# Altium PCB Mag256_9mm.PcbDoc (part 1 of 6) (continued)
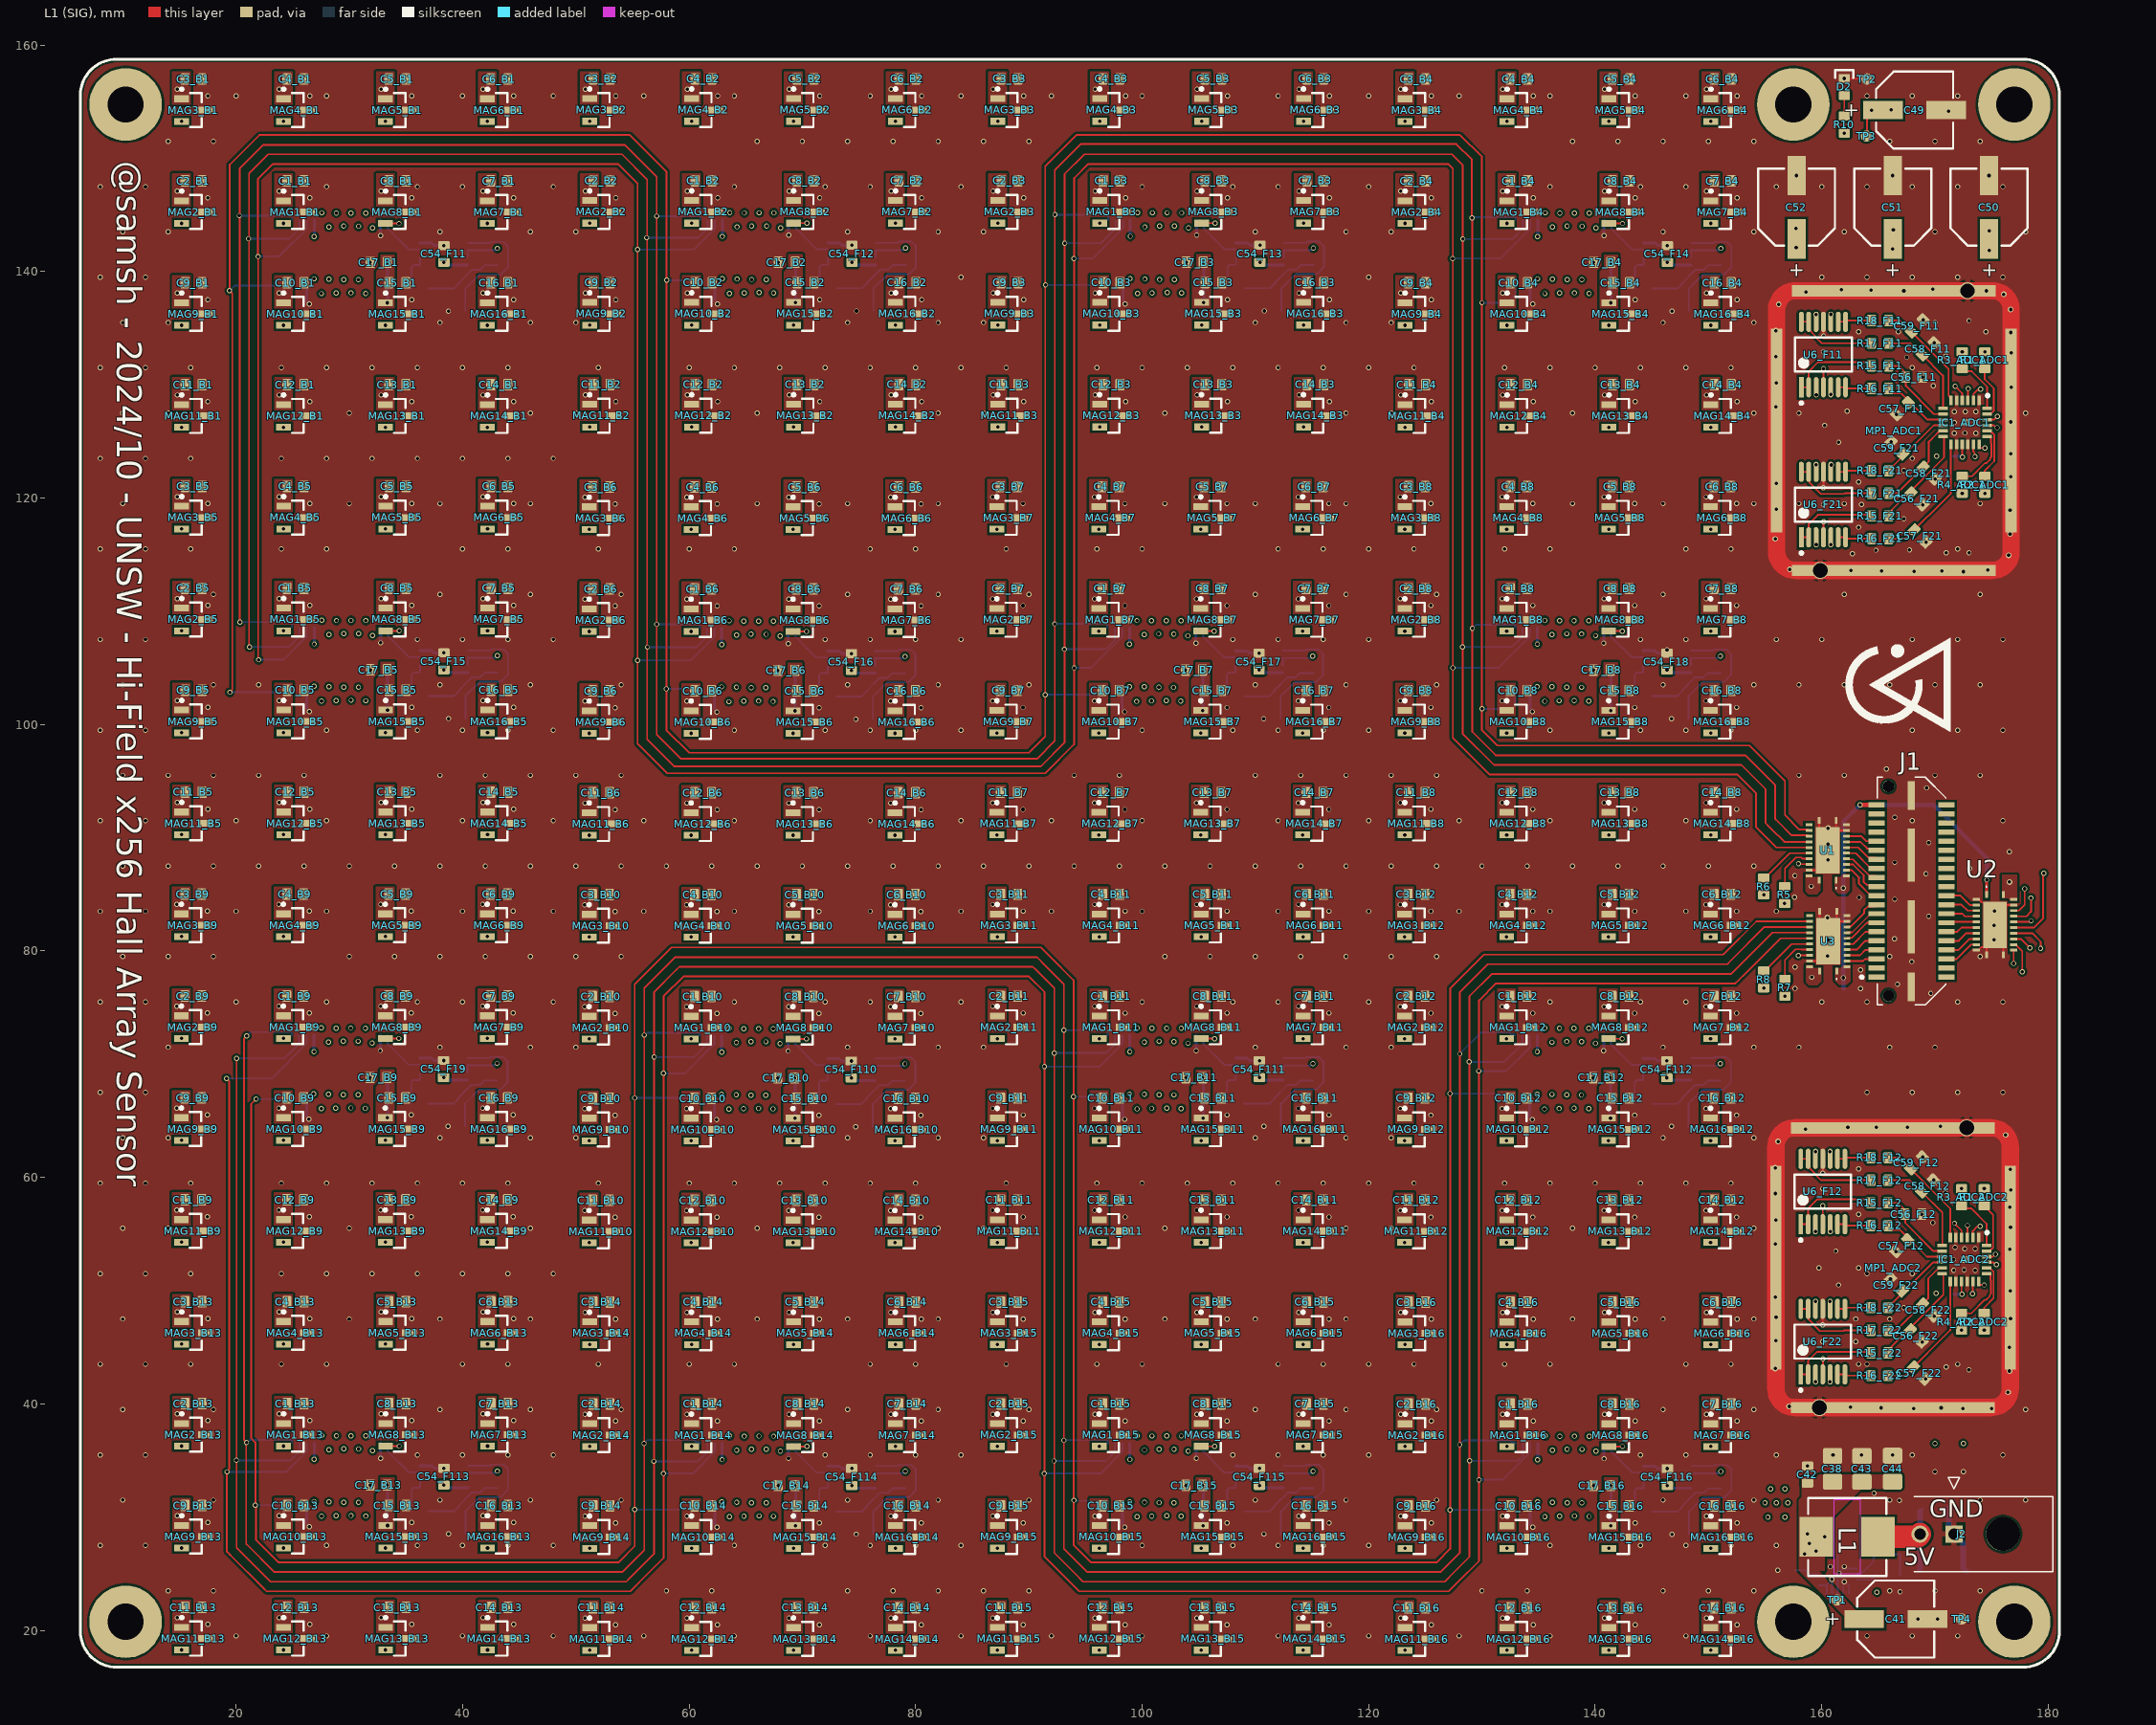
[diagram p0: L1 (SIG) view]
## Components (designator, comment, footprint, x,y, rotation, side; value= is the part's Value field where it differs from the comment)
C1_B1 "100n" CAP_0603 25.25,148 r0 top (schematic designator C1)
C1_B2 "100n" CAP_0603 61.279,148.018 r0 top (schematic designator C1)
C1_B3 "100n" CAP_0603 97.298,148.02 r0 top (schematic designator C1)
C1_B4 "100n" CAP_0603 133.273,148 r0 top (schematic designator C1)
C1_B5 "100n" CAP_0603 25.256,112.02 r0 top (schematic designator C1)
C1_B6 "100n" CAP_0603 61.233,111.965 r0 top (schematic designator C1)
C1_B7 "100n" CAP_0603 97.229,111.996 r0 top (schematic designator C1)
C1_B8 "100n" CAP_0603 133.242,112.001 r0 top (schematic designator C1)
C1_B9 "100n" CAP_0603 25.223,76.02 r0 top (schematic designator C1)
C1_B10 "100n" CAP_0603 61.224,75.977 r0 top (schematic designator C1)
C1_B11 "100n" CAP_0603 97.255,76.007 r0 top (schematic designator C1)
C1_B12 "100n" CAP_0603 133.236,76.001 r0 top (schematic designator C1)
C1_B13 "100n" CAP_0603 25.255,40.021 r0 top (schematic designator C1)
C1_B14 "100n" CAP_0603 61.262,39.991 r0 top (schematic designator C1)
C1_B15 "100n" CAP_0603 97.261,39.999 r0 top (schematic designator C1)
C1_B16 "100n" CAP_0603 133.274,39.984 r0 top (schematic designator C1)
C2_B1 "100n" CAP_0603 16.25,148 r0 top (schematic designator C2)
C2_B2 "100n" CAP_0603 52.279,148.018 r0 top (schematic designator C2)
C2_B3 "100n" CAP_0603 88.298,148.02 r0 top (schematic designator C2)
C2_B4 "100n" CAP_0603 124.273,148 r0 top (schematic designator C2)
C2_B5 "100n" CAP_0603 16.256,112.02 r0 top (schematic designator C2)
C2_B6 "100n" CAP_0603 52.233,111.965 r0 top (schematic designator C2)
C2_B7 "100n" CAP_0603 88.229,111.996 r0 top (schematic designator C2)
C2_B8 "100n" CAP_0603 124.242,112.001 r0 top (schematic designator C2)
C2_B9 "100n" CAP_0603 16.223,76.02 r0 top (schematic designator C2)
C2_B10 "100n" CAP_0603 52.224,75.977 r0 top (schematic designator C2)
C2_B11 "100n" CAP_0603 88.255,76.007 r0 top (schematic designator C2)
C2_B12 "100n" CAP_0603 124.236,76.001 r0 top (schematic designator C2)
C2_B13 "100n" CAP_0603 16.255,40.021 r0 top (schematic designator C2)
C2_B14 "100n" CAP_0603 52.262,39.991 r0 top (schematic designator C2)
C2_B15 "100n" CAP_0603 88.261,39.999 r0 top (schematic designator C2)
C2_B16 "100n" CAP_0603 124.274,39.984 r0 top (schematic designator C2)
C3_B1 "100n" CAP_0603 16.25,157 r0 top (schematic designator C3)
C3_B2 "100n" CAP_0603 52.279,157.018 r0 top (schematic designator C3)
C3_B3 "100n" CAP_0603 88.298,157.02 r0 top (schematic designator C3)
C3_B4 "100n" CAP_0603 124.273,157 r0 top (schematic designator C3)
C3_B5 "100n" CAP_0603 16.256,121.02 r0 top (schematic designator C3)
C3_B6 "100n" CAP_0603 52.233,120.965 r0 top (schematic designator C3)
C3_B7 "100n" CAP_0603 88.229,120.996 r0 top (schematic designator C3)
C3_B8 "100n" CAP_0603 124.242,121.001 r0 top (schematic designator C3)
C3_B9 "100n" CAP_0603 16.223,85.02 r0 top (schematic designator C3)
C3_B10 "100n" CAP_0603 52.224,84.977 r0 top (schematic designator C3)
C3_B11 "100n" CAP_0603 88.255,85.007 r0 top (schematic designator C3)
C3_B12 "100n" CAP_0603 124.236,85.001 r0 top (schematic designator C3)
C3_B13 "100n" CAP_0603 16.255,49.021 r0 top (schematic designator C3)
C3_B14 "100n" CAP_0603 52.262,48.991 r0 top (schematic designator C3)
C3_B15 "100n" CAP_0603 88.261,48.999 r0 top (schematic designator C3)
C3_B16 "100n" CAP_0603 124.274,48.984 r0 top (schematic designator C3)
C4_B1 "100n" CAP_0603 25.25,157 r0 top (schematic designator C4)
C4_B2 "100n" CAP_0603 61.279,157.018 r0 top (schematic designator C4)
C4_B3 "100n" CAP_0603 97.298,157.02 r0 top (schematic designator C4)
C4_B4 "100n" CAP_0603 133.273,157 r0 top (schematic designator C4)
C4_B5 "100n" CAP_0603 25.256,121.02 r0 top (schematic designator C4)
C4_B6 "100n" CAP_0603 61.233,120.965 r0 top (schematic designator C4)
C4_B7 "100n" CAP_0603 97.229,120.996 r0 top (schematic designator C4)
C4_B8 "100n" CAP_0603 133.242,121.001 r0 top (schematic designator C4)
C4_B9 "100n" CAP_0603 25.223,85.02 r0 top (schematic designator C4)
C4_B10 "100n" CAP_0603 61.224,84.977 r0 top (schematic designator C4)
C4_B11 "100n" CAP_0603 97.255,85.007 r0 top (schematic designator C4)
C4_B12 "100n" CAP_0603 133.236,85.001 r0 top (schematic designator C4)
C4_B13 "100n" CAP_0603 25.255,49.021 r0 top (schematic designator C4)
C4_B14 "100n" CAP_0603 61.262,48.991 r0 top (schematic designator C4)
C4_B15 "100n" CAP_0603 97.261,48.999 r0 top (schematic designator C4)
C4_B16 "100n" CAP_0603 133.274,48.984 r0 top (schematic designator C4)
C5_B1 "100n" CAP_0603 34.25,157 r0 top (schematic designator C5)
C5_B2 "100n" CAP_0603 70.279,157.018 r0 top (schematic designator C5)
C5_B3 "100n" CAP_0603 106.298,157.02 r0 top (schematic designator C5)
C5_B4 "100n" CAP_0603 142.273,157 r0 top (schematic designator C5)
C5_B5 "100n" CAP_0603 34.256,121.02 r0 top (schematic designator C5)
C5_B6 "100n" CAP_0603 70.233,120.965 r0 top (schematic designator C5)
C5_B7 "100n" CAP_0603 106.229,120.996 r0 top (schematic designator C5)
C5_B8 "100n" CAP_0603 142.242,121.001 r0 top (schematic designator C5)
C5_B9 "100n" CAP_0603 34.223,85.02 r0 top (schematic designator C5)
C5_B10 "100n" CAP_0603 70.224,84.977 r0 top (schematic designator C5)
C5_B11 "100n" CAP_0603 106.255,85.007 r0 top (schematic designator C5)
C5_B12 "100n" CAP_0603 142.236,85.001 r0 top (schematic designator C5)
C5_B13 "100n" CAP_0603 34.255,49.021 r0 top (schematic designator C5)
C5_B14 "100n" CAP_0603 70.262,48.991 r0 top (schematic designator C5)
C5_B15 "100n" CAP_0603 106.261,48.999 r0 top (schematic designator C5)
C5_B16 "100n" CAP_0603 142.274,48.984 r0 top (schematic designator C5)
C6_B1 "100n" CAP_0603 43.25,157 r0 top (schematic designator C6)
C6_B2 "100n" CAP_0603 79.279,157.018 r0 top (schematic designator C6)
C6_B3 "100n" CAP_0603 115.298,157.02 r0 top (schematic designator C6)
C6_B4 "100n" CAP_0603 151.273,157 r0 top (schematic designator C6)
C6_B5 "100n" CAP_0603 43.256,121.02 r0 top (schematic designator C6)
C6_B6 "100n" CAP_0603 79.233,120.965 r0 top (schematic designator C6)
C6_B7 "100n" CAP_0603 115.229,120.996 r0 top (schematic designator C6)
C6_B8 "100n" CAP_0603 151.242,121.001 r0 top (schematic designator C6)
C6_B9 "100n" CAP_0603 43.223,85.02 r0 top (schematic designator C6)
C6_B10 "100n" CAP_0603 79.224,84.977 r0 top (schematic designator C6)
C6_B11 "100n" CAP_0603 115.255,85.007 r0 top (schematic designator C6)
C6_B12 "100n" CAP_0603 151.236,85.001 r0 top (schematic designator C6)
C6_B13 "100n" CAP_0603 43.255,49.021 r0 top (schematic designator C6)
C6_B14 "100n" CAP_0603 79.262,48.991 r0 top (schematic designator C6)
C6_B15 "100n" CAP_0603 115.261,48.999 r0 top (schematic designator C6)
C6_B16 "100n" CAP_0603 151.274,48.984 r0 top (schematic designator C6)
C7_B1 "100n" CAP_0603 43.25,148 r0 top (schematic designator C7)
C7_B2 "100n" CAP_0603 79.279,148.018 r0 top (schematic designator C7)
C7_B3 "100n" CAP_0603 115.298,148.02 r0 top (schematic designator C7)
C7_B4 "100n" CAP_0603 151.273,148 r0 top (schematic designator C7)
C7_B5 "100n" CAP_0603 43.256,112.02 r0 top (schematic designator C7)
C7_B6 "100n" CAP_0603 79.233,111.965 r0 top (schematic designator C7)
C7_B7 "100n" CAP_0603 115.229,111.996 r0 top (schematic designator C7)
C7_B8 "100n" CAP_0603 151.242,112.001 r0 top (schematic designator C7)
C7_B9 "100n" CAP_0603 43.223,76.02 r0 top (schematic designator C7)
C7_B10 "100n" CAP_0603 79.224,75.977 r0 top (schematic designator C7)
C7_B11 "100n" CAP_0603 115.255,76.007 r0 top (schematic designator C7)
C7_B12 "100n" CAP_0603 151.236,76.001 r0 top (schematic designator C7)
C7_B13 "100n" CAP_0603 43.255,40.021 r0 top (schematic designator C7)
C7_B14 "100n" CAP_0603 79.262,39.991 r0 top (schematic designator C7)
C7_B15 "100n" CAP_0603 115.261,39.999 r0 top (schematic designator C7)
C7_B16 "100n" CAP_0603 151.274,39.984 r0 top (schematic designator C7)
C8_B1 "100n" CAP_0603 34.25,148 r0 top (schematic designator C8)
C8_B2 "100n" CAP_0603 70.279,148.018 r0 top (schematic designator C8)
C8_B3 "100n" CAP_0603 106.298,148.02 r0 top (schematic designator C8)
C8_B4 "100n" CAP_0603 142.273,148 r0 top (schematic designator C8)
C8_B5 "100n" CAP_0603 34.256,112.02 r0 top (schematic designator C8)
C8_B6 "100n" CAP_0603 70.233,111.965 r0 top (schematic designator C8)
C8_B7 "100n" CAP_0603 106.229,111.996 r0 top (schematic designator C8)
C8_B8 "100n" CAP_0603 142.242,112.001 r0 top (schematic designator C8)
C8_B9 "100n" CAP_0603 34.223,76.02 r0 top (schematic designator C8)
C8_B10 "100n" CAP_0603 70.224,75.977 r0 top (schematic designator C8)
C8_B11 "100n" CAP_0603 106.255,76.007 r0 top (schematic designator C8)
C8_B12 "100n" CAP_0603 142.236,76.001 r0 top (schematic designator C8)
C8_B13 "100n" CAP_0603 34.255,40.021 r0 top (schematic designator C8)
C8_B14 "100n" CAP_0603 70.262,39.991 r0 top (schematic designator C8)
C8_B15 "100n" CAP_0603 106.261,39.999 r0 top (schematic designator C8)
C8_B16 "100n" CAP_0603 142.274,39.984 r0 top (schematic designator C8)
C9_B1 "100n" CAP_0603 16.25,139 r0 top (schematic designator C9)
C9_B2 "100n" CAP_0603 52.279,139.018 r0 top (schematic designator C9)
C9_B3 "100n" CAP_0603 88.298,139.02 r0 top (schematic designator C9)
C9_B4 "100n" CAP_0603 124.273,139 r0 top (schematic designator C9)
C9_B5 "100n" CAP_0603 16.256,103.02 r0 top (schematic designator C9)
C9_B6 "100n" CAP_0603 52.233,102.965 r0 top (schematic designator C9)
C9_B7 "100n" CAP_0603 88.229,102.996 r0 top (schematic designator C9)
C9_B8 "100n" CAP_0603 124.242,103.001 r0 top (schematic designator C9)
C9_B9 "100n" CAP_0603 16.223,67.02 r0 top (schematic designator C9)
C9_B10 "100n" CAP_0603 52.224,66.977 r0 top (schematic designator C9)
C9_B11 "100n" CAP_0603 88.255,67.007 r0 top (schematic designator C9)
C9_B12 "100n" CAP_0603 124.236,67.001 r0 top (schematic designator C9)
C9_B13 "100n" CAP_0603 16.255,31.021 r0 top (schematic designator C9)
C9_B14 "100n" CAP_0603 52.262,30.991 r0 top (schematic designator C9)
C9_B15 "100n" CAP_0603 88.261,30.999 r0 top (schematic designator C9)
C9_B16 "100n" CAP_0603 124.274,30.984 r0 top (schematic designator C9)
C10_B1 "100n" CAP_0603 25.25,139 r0 top (schematic designator C10)
C10_B2 "100n" CAP_0603 61.279,139.018 r0 top (schematic designator C10)
C10_B3 "100n" CAP_0603 97.298,139.02 r0 top (schematic designator C10)
C10_B4 "100n" CAP_0603 133.273,139 r0 top (schematic designator C10)
C10_B5 "100n" CAP_0603 25.256,103.02 r0 top (schematic designator C10)
C10_B6 "100n" CAP_0603 61.233,102.965 r0 top (schematic designator C10)
C10_B7 "100n" CAP_0603 97.229,102.996 r0 top (schematic designator C10)
C10_B8 "100n" CAP_0603 133.242,103.001 r0 top (schematic designator C10)
C10_B9 "100n" CAP_0603 25.223,67.02 r0 top (schematic designator C10)
C10_B10 "100n" CAP_0603 61.224,66.977 r0 top (schematic designator C10)
C10_B11 "100n" CAP_0603 97.255,67.007 r0 top (schematic designator C10)
C10_B12 "100n" CAP_0603 133.236,67.001 r0 top (schematic designator C10)
C10_B13 "100n" CAP_0603 25.255,31.021 r0 top (schematic designator C10)
C10_B14 "100n" CAP_0603 61.262,30.991 r0 top (schematic designator C10)
C10_B15 "100n" CAP_0603 97.261,30.999 r0 top (schematic designator C10)
C10_B16 "100n" CAP_0603 133.274,30.984 r0 top (schematic designator C10)
C11_B1 "100n" CAP_0603 16.25,130 r0 top (schematic designator C11)
C11_B2 "100n" CAP_0603 52.279,130.018 r0 top (schematic designator C11)
C11_B3 "100n" CAP_0603 88.298,130.02 r0 top (schematic designator C11)
C11_B4 "100n" CAP_0603 124.273,130 r0 top (schematic designator C11)
C11_B5 "100n" CAP_0603 16.256,94.02 r0 top (schematic designator C11)
C11_B6 "100n" CAP_0603 52.233,93.965 r0 top (schematic designator C11)
C11_B7 "100n" CAP_0603 88.229,93.996 r0 top (schematic designator C11)
C11_B8 "100n" CAP_0603 124.242,94.001 r0 top (schematic designator C11)
C11_B9 "100n" CAP_0603 16.223,58.02 r0 top (schematic designator C11)
C11_B10 "100n" CAP_0603 52.224,57.977 r0 top (schematic designator C11)
C11_B11 "100n" CAP_0603 88.255,58.007 r0 top (schematic designator C11)
C11_B12 "100n" CAP_0603 124.236,58.001 r0 top (schematic designator C11)
C11_B13 "100n" CAP_0603 16.255,22.021 r0 top (schematic designator C11)
C11_B14 "100n" CAP_0603 52.262,21.991 r0 top (schematic designator C11)
C11_B15 "100n" CAP_0603 88.261,21.999 r0 top (schematic designator C11)
C11_B16 "100n" CAP_0603 124.274,21.984 r0 top (schematic designator C11)
C12_B1 "100n" CAP_0603 25.25,130 r0 top (schematic designator C12)
C12_B2 "100n" CAP_0603 61.279,130.018 r0 top (schematic designator C12)
C12_B3 "100n" CAP_0603 97.298,130.02 r0 top (schematic designator C12)
C12_B4 "100n" CAP_0603 133.273,130 r0 top (schematic designator C12)
C12_B5 "100n" CAP_0603 25.256,94.02 r0 top (schematic designator C12)
C12_B6 "100n" CAP_0603 61.233,93.965 r0 top (schematic designator C12)
C12_B7 "100n" CAP_0603 97.229,93.996 r0 top (schematic designator C12)
C12_B8 "100n" CAP_0603 133.242,94.001 r0 top (schematic designator C12)
C12_B9 "100n" CAP_0603 25.223,58.02 r0 top (schematic designator C12)
C12_B10 "100n" CAP_0603 61.224,57.977 r0 top (schematic designator C12)
C12_B11 "100n" CAP_0603 97.255,58.007 r0 top (schematic designator C12)
C12_B12 "100n" CAP_0603 133.236,58.001 r0 top (schematic designator C12)
C12_B13 "100n" CAP_0603 25.255,22.021 r0 top (schematic designator C12)
C12_B14 "100n" CAP_0603 61.262,21.991 r0 top (schematic designator C12)
C12_B15 "100n" CAP_0603 97.261,21.999 r0 top (schematic designator C12)
C12_B16 "100n" CAP_0603 133.274,21.984 r0 top (schematic designator C12)
C13_B1 "100n" CAP_0603 34.25,130 r0 top (schematic designator C13)
C13_B2 "100n" CAP_0603 70.279,130.018 r0 top (schematic designator C13)
C13_B3 "100n" CAP_0603 106.298,130.02 r0 top (schematic designator C13)
C13_B4 "100n" CAP_0603 142.273,130 r0 top (schematic designator C13)
C13_B5 "100n" CAP_0603 34.256,94.02 r0 top (schematic designator C13)
C13_B6 "100n" CAP_0603 70.233,93.965 r0 top (schematic designator C13)
C13_B7 "100n" CAP_0603 106.229,93.996 r0 top (schematic designator C13)
C13_B8 "100n" CAP_0603 142.242,94.001 r0 top (schematic designator C13)
C13_B9 "100n" CAP_0603 34.223,58.02 r0 top (schematic designator C13)
C13_B10 "100n" CAP_0603 70.224,57.977 r0 top (schematic designator C13)
C13_B11 "100n" CAP_0603 106.255,58.007 r0 top (schematic designator C13)
C13_B12 "100n" CAP_0603 142.236,58.001 r0 top (schematic designator C13)
C13_B13 "100n" CAP_0603 34.255,22.021 r0 top (schematic designator C13)
C13_B14 "100n" CAP_0603 70.262,21.991 r0 top (schematic designator C13)
C13_B15 "100n" CAP_0603 106.261,21.999 r0 top (schematic designator C13)
C13_B16 "100n" CAP_0603 142.274,21.984 r0 top (schematic designator C13)
C14_B1 "100n" CAP_0603 43.25,130 r0 top (schematic designator C14)
C14_B2 "100n" CAP_0603 79.279,130.018 r0 top (schematic designator C14)
C14_B3 "100n" CAP_0603 115.298,130.02 r0 top (schematic designator C14)
C14_B4 "100n" CAP_0603 151.273,130 r0 top (schematic designator C14)
C14_B5 "100n" CAP_0603 43.256,94.02 r0 top (schematic designator C14)
C14_B6 "100n" CAP_0603 79.233,93.965 r0 top (schematic designator C14)
C14_B7 "100n" CAP_0603 115.229,93.996 r0 top (schematic designator C14)
C14_B8 "100n" CAP_0603 151.242,94.001 r0 top (schematic designator C14)
C14_B9 "100n" CAP_0603 43.223,58.02 r0 top (schematic designator C14)
C14_B10 "100n" CAP_0603 79.224,57.977 r0 top (schematic designator C14)
C14_B11 "100n" CAP_0603 115.255,58.007 r0 top (schematic designator C14)
C14_B12 "100n" CAP_0603 151.236,58.001 r0 top (schematic designator C14)
C14_B13 "100n" CAP_0603 43.255,22.021 r0 top (schematic designator C14)
C14_B14 "100n" CAP_0603 79.262,21.991 r0 top (schematic designator C14)
C14_B15 "100n" CAP_0603 115.261,21.999 r0 top (schematic designator C14)
C14_B16 "100n" CAP_0603 151.274,21.984 r0 top (schematic designator C14)
C15_B1 "100n" CAP_0603 34.25,139 r0 top (schematic designator C15)
C15_B2 "100n" CAP_0603 70.279,139.018 r0 top (schematic designator C15)
C15_B3 "100n" CAP_0603 106.298,139.02 r0 top (schematic designator C15)
C15_B4 "100n" CAP_0603 142.273,139 r0 top (schematic designator C15)
C15_B5 "100n" CAP_0603 34.256,103.02 r0 top (schematic designator C15)
C15_B6 "100n" CAP_0603 70.233,102.965 r0 top (schematic designator C15)
C15_B7 "100n" CAP_0603 106.229,102.996 r0 top (schematic designator C15)
C15_B8 "100n" CAP_0603 142.242,103.001 r0 top (schematic designator C15)
C15_B9 "100n" CAP_0603 34.223,67.02 r0 top (schematic designator C15)
C15_B10 "100n" CAP_0603 70.224,66.977 r0 top (schematic designator C15)
C15_B11 "100n" CAP_0603 106.255,67.007 r0 top (schematic designator C15)
C15_B12 "100n" CAP_0603 142.236,67.001 r0 top (schematic designator C15)
C15_B13 "100n" CAP_0603 34.255,31.021 r0 top (schematic designator C15)
C15_B14 "100n" CAP_0603 70.262,30.991 r0 top (schematic designator C15)
C15_B15 "100n" CAP_0603 106.261,30.999 r0 top (schematic designator C15)
C15_B16 "100n" CAP_0603 142.274,30.984 r0 top (schematic designator C15)
C16_B1 "100n" CAP_0603 43.25,139 r0 top (schematic designator C16)
C16_B2 "100n" CAP_0603 79.279,139.018 r0 top (schematic designator C16)
C16_B3 "100n" CAP_0603 115.298,139.02 r0 top (schematic designator C16)
C16_B4 "100n" CAP_0603 151.273,139 r0 top (schematic designator C16)
C16_B5 "100n" CAP_0603 43.256,103.02 r0 top (schematic designator C16)
C16_B6 "100n" CAP_0603 79.233,102.965 r0 top (schematic designator C16)
C16_B7 "100n" CAP_0603 115.229,102.996 r0 top (schematic designator C16)
C16_B8 "100n" CAP_0603 151.242,103.001 r0 top (schematic designator C16)
C16_B9 "100n" CAP_0603 43.223,67.02 r0 top (schematic designator C16)
C16_B10 "100n" CAP_0603 79.224,66.977 r0 top (schematic designator C16)
C16_B11 "100n" CAP_0603 115.255,67.007 r0 top (schematic designator C16)
C16_B12 "100n" CAP_0603 151.236,67.001 r0 top (schematic designator C16)
C16_B13 "100n" CAP_0603 43.255,31.021 r0 top (schematic designator C16)
C16_B14 "100n" CAP_0603 79.262,30.991 r0 top (schematic designator C16)
C16_B15 "100n" CAP_0603 115.261,30.999 r0 top (schematic designator C16)
C16_B16 "100n" CAP_0603 151.274,30.984 r0 top (schematic designator C16)
C17_B1 "100n" CAP_0603 32.6,140.8 r0 top (schematic designator C17)
C17_B2 "100n" CAP_0603 68.629,140.818 r0 top (schematic designator C17)
C17_B3 "100n" CAP_0603 104.648,140.82 r0 top (schematic designator C17)
C17_B4 "100n" CAP_0603 140.623,140.8 r0 top (schematic designator C17)
C17_B5 "100n" CAP_0603 32.606,104.82 r0 top (schematic designator C17)
C17_B6 "100n" CAP_0603 68.583,104.765 r0 top (schematic designator C17)
C17_B7 "100n" CAP_0603 104.579,104.796 r0 top (schematic designator C17)
C17_B8 "100n" CAP_0603 140.592,104.801 r0 top (schematic designator C17)
C17_B9 "100n" CAP_0603 32.573,68.82 r0 top (schematic designator C17)
C17_B10 "100n" CAP_0603 68.574,68.777 r0 top (schematic designator C17)
C17_B11 "100n" CAP_0603 104.605,68.807 r0 top (schematic designator C17)
C17_B12 "100n" CAP_0603 140.586,68.801 r0 top (schematic designator C17)
C17_B13 "100n" CAP_0603 32.605,32.821 r0 top (schematic designator C17)
C17_B14 "100n" CAP_0603 68.612,32.791 r0 top (schematic designator C17)
C17_B15 "100n" CAP_0603 104.611,32.799 r0 top (schematic designator C17)
C17_B16 "100n" CAP_0603 140.624,32.784 r0 top (schematic designator C17)
C18_ADC1 "1u" CAP_0603 170.931,123.694 r0 bottom (schematic designator C18)
C18_ADC2 "1u" CAP_0603 170.875,49.775 r0 bottom (schematic designator C18)
C19_ADC1 "1u" CAP_0603 171.431,131.819 r315 bottom (schematic designator C19)
C19_ADC2 "1u" CAP_0603 171.375,57.9 r315 bottom (schematic designator C19)
C20_ADC1 "1u" CAP_0603 173.406,124.444 r270 bottom (schematic designator C20)
C20_ADC2 "1u" CAP_0603 173.35,50.525 r270 bottom (schematic designator C20)
C21_ADC1 "100n" CAP_0603 170.656,129.894 r0 bottom (schematic designator C21)
C21_ADC2 "100n" CAP_0603 170.6,55.975 r0 bottom (schematic designator C21)
C22_ADC1 "1u" CAP_0603 174.181,128.894 r90 bottom (schematic designator C22)
C22_ADC2 "1u" CAP_0603 174.125,54.975 r90 bottom (schematic designator C22)
C23_ADC1 "1u" CAP_0603 172.956,128.844 r90 bottom (schematic designator C23)
C23_ADC2 "1u" CAP_0603 172.9,54.925 r90 bottom (schematic designator C23)
C24_ADC1 "1u" CAP_0603 174.956,124.444 r270 bottom (schematic designator C24)
C24_ADC2 "1u" CAP_0603 174.9,50.525 r270 bottom (schematic designator C24)
C25 "100n" CAP_0603 162.676,86.487 r180 bottom
C26 "1u" CAP_0603 162.651,84.612 r180 bottom
C27 "100n" CAP_0603 158.35,84.746 r0 bottom
C28 "1u" CAP_0603 158.375,86.646 r0 bottom
C29 "100n" CAP_0603 173.818,86.286 r0 bottom
C30 "1u" CAP_0603 173.815,88.116 r0 bottom
C31 "100n" CAP_0603 176.551,84.262 r90 bottom
C32 "1u" CAP_0603 176.576,88.012 r270 bottom
C33 "100n" CAP_0603 162.665,78.555 r180 bottom
C34 "1u" CAP_0603 162.69,76.68 r180 bottom
C35 "100n" CAP_0603 158.386,76.694 r0 bottom
C36 "1u" CAP_0603 158.387,78.569 r0 bottom
C37 "2u2 24V" CAP_0805 170.094,30.803 r180 bottom
C38 "2u2 24V" CAP_0805 160.957,34.261 r270 top
C39 "22u" CAP_0805 164.622,31.471 r270 bottom
C40 "100n" CAP_0603 166.872,30.721 r270 bottom
C41 "47u" WCAP-ASLI_D6.3H5.5 166.55,21 r180 top
C42 "100n" CAP_0603 158.75,33.75 r270 top
C43 "22u" CAP_0805 163.557,34.254 r270 top
C44 "22u" CAP_0805 166.257,34.279 r270 top
C45 "100n" CAP_0603 164.889,27.465 r90 bottom
C46 "22u" CAP_0805 170.054,35.307 r90 bottom
C47 "22u" CAP_0805 172.554,35.307 r90 bottom
C48 "100n" CAP_0603 156.879,25.305 r0 bottom
C49 "47u" WCAP-ASLI_D6.3H5.5 168.2,154.25 r180 top
C50 "47u" WCAP-ASLI_D6.3H5.5 174.775,145.675 r270 top
C51 "47u" WCAP-ASLI_D6.3H5.5 166.275,145.675 r270 top
C52 "47u" WCAP-ASLI_D6.3H5.5 157.775,145.675 r270 top
C53_F11 "47p" CAP_0603 43.1,141.3 r90 bottom (schematic designator C53)
C53_F12 "47p" CAP_0603 79.129,141.318 r90 bottom (schematic designator C53)
C53_F13 "47p" CAP_0603 115.148,141.32 r90 bottom (schematic designator C53)
C53_F14 "47p" CAP_0603 151.123,141.3 r90 bottom (schematic designator C53)
C53_F15 "47p" CAP_0603 43.106,105.32 r90 bottom (schematic designator C53)
C53_F16 "47p" CAP_0603 79.083,105.265 r90 bottom (schematic designator C53)
C53_F17 "47p" CAP_0603 115.079,105.296 r90 bottom (schematic designator C53)
C53_F18 "47p" CAP_0603 151.092,105.301 r90 bottom (schematic designator C53)
C53_F19 "47p" CAP_0603 43.073,69.32 r90 bottom (schematic designator C53)
C53_F110 "47p" CAP_0603 79.074,69.277 r90 bottom (schematic designator C53)
C53_F111 "47p" CAP_0603 115.105,69.307 r90 bottom (schematic designator C53)
C53_F112 "47p" CAP_0603 151.086,69.301 r90 bottom (schematic designator C53)
C53_F113 "47p" CAP_0603 43.105,33.321 r90 bottom (schematic designator C53)
C53_F114 "47p" CAP_0603 79.112,33.291 r90 bottom (schematic designator C53)
C53_F115 "47p" CAP_0603 115.111,33.299 r90 bottom (schematic designator C53)
C53_F116 "47p" CAP_0603 151.124,33.284 r90 bottom (schematic designator C53)
C54_F11 "100n" CAP_0603 38.35,141.55 r270 top (schematic designator C54)
C54_F12 "100n" CAP_0603 74.379,141.568 r270 top (schematic designator C54)
C54_F13 "100n" CAP_0603 110.398,141.57 r270 top (schematic designator C54)
C54_F14 "100n" CAP_0603 146.373,141.55 r270 top (schematic designator C54)
C54_F15 "100n" CAP_0603 38.356,105.57 r270 top (schematic designator C54)
C54_F16 "100n" CAP_0603 74.333,105.515 r270 top (schematic designator C54)
C54_F17 "100n" CAP_0603 110.329,105.546 r270 top (schematic designator C54)
C54_F18 "100n" CAP_0603 146.342,105.551 r270 top (schematic designator C54)
C54_F19 "100n" CAP_0603 38.323,69.57 r270 top (schematic designator C54)
C54_F110 "100n" CAP_0603 74.324,69.527 r270 top (schematic designator C54)
C54_F111 "100n" CAP_0603 110.355,69.557 r270 top (schematic designator C54)
C54_F112 "100n" CAP_0603 146.336,69.551 r270 top (schematic designator C54)
C54_F113 "100n" CAP_0603 38.355,33.571 r270 top (schematic designator C54)
C54_F114 "100n" CAP_0603 74.362,33.541 r270 top (schematic designator C54)
C54_F115 "100n" CAP_0603 110.361,33.549 r270 top (schematic designator C54)
C54_F116 "100n" CAP_0603 146.374,33.534 r270 top (schematic designator C54)
C55_F11 "30p" CAP_0603 39.5,136.5 r0 bottom (schematic designator C55)
C55_F12 "30p" CAP_0603 75.529,136.518 r0 bottom (schematic designator C55)
C55_F13 "30p" CAP_0603 111.548,136.52 r0 bottom (schematic designator C55)
C55_F14 "30p" CAP_0603 147.523,136.5 r0 bottom (schematic designator C55)
C55_F15 "30p" CAP_0603 39.506,100.52 r0 bottom (schematic designator C55)
C55_F16 "30p" CAP_0603 75.483,100.465 r0 bottom (schematic designator C55)
C55_F17 "30p" CAP_0603 111.479,100.496 r0 bottom (schematic designator C55)
C55_F18 "30p" CAP_0603 147.492,100.501 r0 bottom (schematic designator C55)
C55_F19 "30p" CAP_0603 39.473,64.52 r0 bottom (schematic designator C55)
C55_F110 "30p" CAP_0603 75.474,64.477 r0 bottom (schematic designator C55)
C55_F111 "30p" CAP_0603 111.505,64.507 r0 bottom (schematic designator C55)
C55_F112 "30p" CAP_0603 147.486,64.501 r0 bottom (schematic designator C55)
C55_F113 "30p" CAP_0603 39.505,28.521 r0 bottom (schematic designator C55)
C55_F114 "30p" CAP_0603 75.512,28.491 r0 bottom (schematic designator C55)
C55_F115 "30p" CAP_0603 111.511,28.499 r0 bottom (schematic designator C55)
C55_F116 "30p" CAP_0603 147.524,28.484 r0 bottom (schematic designator C55)
C56_F11 "330p" CAP_0603 168.156,130.669 r180 top (schematic designator C56)
C56_F12 "330p" CAP_0603 168.1,56.75 r180 top (schematic designator C56)
C56_F21 "330p" CAP_0603 168.406,119.919 r135 top (schematic designator C56)
C56_F22 "330p" CAP_0603 168.35,46 r135 top (schematic designator C56)
C57_F11 "330p" CAP_0603 167.126,127.888 r45 top (schematic designator C57)
C57_F12 "330p" CAP_0603 167.07,53.97 r45 top (schematic designator C57)
C57_F21 "330p" CAP_0603 168.686,116.638 r135 top (schematic designator C57)
C57_F22 "330p" CAP_0603 168.63,42.72 r135 top (schematic designator C57)
C58_F11 "330p" CAP_0603 169.406,133.169 r225 top (schematic designator C58)
C58_F12 "330p" CAP_0603 169.35,59.25 r225 top (schematic designator C58)
C58_F21 "330p" CAP_0603 169.481,122.197 r135 top (schematic designator C58)
C58_F22 "330p" CAP_0603 169.425,48.278 r135 top (schematic designator C58)
C59_F11 "330p" CAP_0603 168.436,135.199 r225 top (schematic designator C59)
C59_F12 "330p" CAP_0603 168.38,61.28 r225 top (schematic designator C59)
C59_F21 "330p" CAP_0603 166.656,124.419 r315 top (schematic designator C59)
C59_F22 "330p" CAP_0603 166.6,50.5 r315 top (schematic designator C59)
C60_F11 "100n" CAP_0603 160.156,118.669 r270 bottom (schematic designator C60)
C60_F12 "100n" CAP_0603 160.1,44.75 r270 bottom (schematic designator C60)
C60_F21 "100n" CAP_0603 160.156,132.169 r270 bottom (schematic designator C60)
C60_F22 "100n" CAP_0603 160.1,58.25 r270 bottom (schematic designator C60)
D1 "SMA Shottky" "DO-214AC-2 (SMA)" 170.75,25.25 r180 bottom
D2 "LED_0603_GREEN" LED_0603_GREEN 162,156.3 r270 top
IC1_ADC1 "AD7388-4" QFN50P400X400X60-25N-D 172.656,126.669 r270 top (schematic designator IC1)
IC1_ADC2 "AD7388-4" QFN50P400X400X60-25N-D 172.6,52.75 r270 top (schematic designator IC1)
IC2 "TPS7A5201QRGRRQ1" QFN50P350X350X100-21N-D 161.416,24.967 r180 bottom
J1 "QTE-020-01-L-D-A-K-TR" FP-QTE-020-01-L-D-A-K-TR_MFG 167.926,85.288 r90 top
J2 "43045-0201" 43045-02YY 171.68,28.5 r90 top
L1 "4.7u" WE-LHMI_7030 162.25,28.25 r180 top
L2 "4.7u" WE-LHMI_7030 158.872,31.221 r0 bottom
MAG1_B1 "DRV5055A4" SOT100P237X112-3N 25.25,145.25 r0 top (schematic designator MAG1)
MAG1_B2 "DRV5055A4" SOT100P237X112-3N 61.279,145.268 r0 top (schematic designator MAG1)
MAG1_B3 "DRV5055A4" SOT100P237X112-3N 97.298,145.27 r0 top (schematic designator MAG1)
MAG1_B4 "DRV5055A4" SOT100P237X112-3N 133.273,145.25 r0 top (schematic designator MAG1)
MAG1_B5 "DRV5055A4" SOT100P237X112-3N 25.256,109.27 r0 top (schematic designator MAG1)
MAG1_B6 "DRV5055A4" SOT100P237X112-3N 61.233,109.215 r0 top (schematic designator MAG1)
MAG1_B7 "DRV5055A4" SOT100P237X112-3N 97.229,109.246 r0 top (schematic designator MAG1)
MAG1_B8 "DRV5055A4" SOT100P237X112-3N 133.242,109.251 r0 top (schematic designator MAG1)
MAG1_B9 "DRV5055A4" SOT100P237X112-3N 25.223,73.27 r0 top (schematic designator MAG1)
MAG1_B10 "DRV5055A4" SOT100P237X112-3N 61.224,73.227 r0 top (schematic designator MAG1)
MAG1_B11 "DRV5055A4" SOT100P237X112-3N 97.255,73.257 r0 top (schematic designator MAG1)
MAG1_B12 "DRV5055A4" SOT100P237X112-3N 133.236,73.251 r0 top (schematic designator MAG1)
MAG1_B13 "DRV5055A4" SOT100P237X112-3N 25.255,37.271 r0 top (schematic designator MAG1)
MAG1_B14 "DRV5055A4" SOT100P237X112-3N 61.262,37.241 r0 top (schematic designator MAG1)
MAG1_B15 "DRV5055A4" SOT100P237X112-3N 97.261,37.249 r0 top (schematic designator MAG1)
MAG1_B16 "DRV5055A4" SOT100P237X112-3N 133.274,37.234 r0 top (schematic designator MAG1)
MAG2_B1 "DRV5055A4" SOT100P237X112-3N 16.25,145.25 r0 top (schematic designator MAG2)
MAG2_B2 "DRV5055A4" SOT100P237X112-3N 52.279,145.268 r0 top (schematic designator MAG2)
MAG2_B3 "DRV5055A4" SOT100P237X112-3N 88.298,145.27 r0 top (schematic designator MAG2)
MAG2_B4 "DRV5055A4" SOT100P237X112-3N 124.273,145.25 r0 top (schematic designator MAG2)
MAG2_B5 "DRV5055A4" SOT100P237X112-3N 16.256,109.27 r0 top (schematic designator MAG2)
MAG2_B6 "DRV5055A4" SOT100P237X112-3N 52.233,109.215 r0 top (schematic designator MAG2)
MAG2_B7 "DRV5055A4" SOT100P237X112-3N 88.229,109.246 r0 top (schematic designator MAG2)
MAG2_B8 "DRV5055A4" SOT100P237X112-3N 124.242,109.251 r0 top (schematic designator MAG2)
MAG2_B9 "DRV5055A4" SOT100P237X112-3N 16.223,73.27 r0 top (schematic designator MAG2)
MAG2_B10 "DRV5055A4" SOT100P237X112-3N 52.224,73.227 r0 top (schematic designator MAG2)
MAG2_B11 "DRV5055A4" SOT100P237X112-3N 88.255,73.257 r0 top (schematic designator MAG2)
MAG2_B12 "DRV5055A4" SOT100P237X112-3N 124.236,73.251 r0 top (schematic designator MAG2)
MAG2_B13 "DRV5055A4" SOT100P237X112-3N 16.255,37.271 r0 top (schematic designator MAG2)
MAG2_B14 "DRV5055A4" SOT100P237X112-3N 52.262,37.241 r0 top (schematic designator MAG2)
MAG2_B15 "DRV5055A4" SOT100P237X112-3N 88.261,37.249 r0 top (schematic designator MAG2)
MAG2_B16 "DRV5055A4" SOT100P237X112-3N 124.274,37.234 r0 top (schematic designator MAG2)
MAG3_B1 "DRV5055A4" SOT100P237X112-3N 16.25,154.25 r0 top (schematic designator MAG3)
MAG3_B2 "DRV5055A4" SOT100P237X112-3N 52.279,154.268 r0 top (schematic designator MAG3)
MAG3_B3 "DRV5055A4" SOT100P237X112-3N 88.298,154.27 r0 top (schematic designator MAG3)
MAG3_B4 "DRV5055A4" SOT100P237X112-3N 124.273,154.25 r0 top (schematic designator MAG3)
MAG3_B5 "DRV5055A4" SOT100P237X112-3N 16.256,118.27 r0 top (schematic designator MAG3)
MAG3_B6 "DRV5055A4" SOT100P237X112-3N 52.233,118.215 r0 top (schematic designator MAG3)
MAG3_B7 "DRV5055A4" SOT100P237X112-3N 88.229,118.246 r0 top (schematic designator MAG3)
MAG3_B8 "DRV5055A4" SOT100P237X112-3N 124.242,118.251 r0 top (schematic designator MAG3)
MAG3_B9 "DRV5055A4" SOT100P237X112-3N 16.223,82.27 r0 top (schematic designator MAG3)
MAG3_B10 "DRV5055A4" SOT100P237X112-3N 52.224,82.227 r0 top (schematic designator MAG3)
MAG3_B11 "DRV5055A4" SOT100P237X112-3N 88.255,82.257 r0 top (schematic designator MAG3)
MAG3_B12 "DRV5055A4" SOT100P237X112-3N 124.236,82.251 r0 top (schematic designator MAG3)
MAG3_B13 "DRV5055A4" SOT100P237X112-3N 16.255,46.271 r0 top (schematic designator MAG3)
MAG3_B14 "DRV5055A4" SOT100P237X112-3N 52.262,46.241 r0 top (schematic designator MAG3)
MAG3_B15 "DRV5055A4" SOT100P237X112-3N 88.261,46.249 r0 top (schematic designator MAG3)
MAG3_B16 "DRV5055A4" SOT100P237X112-3N 124.274,46.234 r0 top (schematic designator MAG3)
MAG4_B1 "DRV5055A4" SOT100P237X112-3N 25.25,154.25 r0 top (schematic designator MAG4)
MAG4_B2 "DRV5055A4" SOT100P237X112-3N 61.279,154.268 r0 top (schematic designator MAG4)
MAG4_B3 "DRV5055A4" SOT100P237X112-3N 97.298,154.27 r0 top (schematic designator MAG4)
MAG4_B4 "DRV5055A4" SOT100P237X112-3N 133.273,154.25 r0 top (schematic designator MAG4)
MAG4_B5 "DRV5055A4" SOT100P237X112-3N 25.256,118.27 r0 top (schematic designator MAG4)
MAG4_B6 "DRV5055A4" SOT100P237X112-3N 61.233,118.215 r0 top (schematic designator MAG4)
MAG4_B7 "DRV5055A4" SOT100P237X112-3N 97.229,118.246 r0 top (schematic designator MAG4)
MAG4_B8 "DRV5055A4" SOT100P237X112-3N 133.242,118.251 r0 top (schematic designator MAG4)
MAG4_B9 "DRV5055A4" SOT100P237X112-3N 25.223,82.27 r0 top (schematic designator MAG4)
MAG4_B10 "DRV5055A4" SOT100P237X112-3N 61.224,82.227 r0 top (schematic designator MAG4)
MAG4_B11 "DRV5055A4" SOT100P237X112-3N 97.255,82.257 r0 top (schematic designator MAG4)
MAG4_B12 "DRV5055A4" SOT100P237X112-3N 133.236,82.251 r0 top (schematic designator MAG4)
MAG4_B13 "DRV5055A4" SOT100P237X112-3N 25.255,46.271 r0 top (schematic designator MAG4)
MAG4_B14 "DRV5055A4" SOT100P237X112-3N 61.262,46.241 r0 top (schematic designator MAG4)
MAG4_B15 "DRV5055A4" SOT100P237X112-3N 97.261,46.249 r0 top (schematic designator MAG4)
MAG4_B16 "DRV5055A4" SOT100P237X112-3N 133.274,46.234 r0 top (schematic designator MAG4)
MAG5_B1 "DRV5055A4" SOT100P237X112-3N 34.25,154.25 r0 top (schematic designator MAG5)
MAG5_B2 "DRV5055A4" SOT100P237X112-3N 70.279,154.268 r0 top (schematic designator MAG5)
MAG5_B3 "DRV5055A4" SOT100P237X112-3N 106.298,154.27 r0 top (schematic designator MAG5)
MAG5_B4 "DRV5055A4" SOT100P237X112-3N 142.273,154.25 r0 top (schematic designator MAG5)
MAG5_B5 "DRV5055A4" SOT100P237X112-3N 34.256,118.27 r0 top (schematic designator MAG5)
MAG5_B6 "DRV5055A4" SOT100P237X112-3N 70.233,118.215 r0 top (schematic designator MAG5)
MAG5_B7 "DRV5055A4" SOT100P237X112-3N 106.229,118.246 r0 top (schematic designator MAG5)
MAG5_B8 "DRV5055A4" SOT100P237X112-3N 142.242,118.251 r0 top (schematic designator MAG5)
MAG5_B9 "DRV5055A4" SOT100P237X112-3N 34.223,82.27 r0 top (schematic designator MAG5)
MAG5_B10 "DRV5055A4" SOT100P237X112-3N 70.224,82.227 r0 top (schematic designator MAG5)
MAG5_B11 "DRV5055A4" SOT100P237X112-3N 106.255,82.257 r0 top (schematic designator MAG5)
MAG5_B12 "DRV5055A4" SOT100P237X112-3N 142.236,82.251 r0 top (schematic designator MAG5)
MAG5_B13 "DRV5055A4" SOT100P237X112-3N 34.255,46.271 r0 top (schematic designator MAG5)
MAG5_B14 "DRV5055A4" SOT100P237X112-3N 70.262,46.241 r0 top (schematic designator MAG5)
MAG5_B15 "DRV5055A4" SOT100P237X112-3N 106.261,46.249 r0 top (schematic designator MAG5)
MAG5_B16 "DRV5055A4" SOT100P237X112-3N 142.274,46.234 r0 top (schematic designator MAG5)
MAG6_B1 "DRV5055A4" SOT100P237X112-3N 43.25,154.25 r0 top (schematic designator MAG6)
MAG6_B2 "DRV5055A4" SOT100P237X112-3N 79.279,154.268 r0 top (schematic designator MAG6)
MAG6_B3 "DRV5055A4" SOT100P237X112-3N 115.298,154.27 r0 top (schematic designator MAG6)
MAG6_B4 "DRV5055A4" SOT100P237X112-3N 151.273,154.25 r0 top (schematic designator MAG6)
MAG6_B5 "DRV5055A4" SOT100P237X112-3N 43.256,118.27 r0 top (schematic designator MAG6)
MAG6_B6 "DRV5055A4" SOT100P237X112-3N 79.233,118.215 r0 top (schematic designator MAG6)
MAG6_B7 "DRV5055A4" SOT100P237X112-3N 115.229,118.246 r0 top (schematic designator MAG6)
MAG6_B8 "DRV5055A4" SOT100P237X112-3N 151.242,118.251 r0 top (schematic designator MAG6)
MAG6_B9 "DRV5055A4" SOT100P237X112-3N 43.223,82.27 r0 top (schematic designator MAG6)
MAG6_B10 "DRV5055A4" SOT100P237X112-3N 79.224,82.227 r0 top (schematic designator MAG6)
MAG6_B11 "DRV5055A4" SOT100P237X112-3N 115.255,82.257 r0 top (schematic designator MAG6)
MAG6_B12 "DRV5055A4" SOT100P237X112-3N 151.236,82.251 r0 top (schematic designator MAG6)
MAG6_B13 "DRV5055A4" SOT100P237X112-3N 43.255,46.271 r0 top (schematic designator MAG6)
MAG6_B14 "DRV5055A4" SOT100P237X112-3N 79.262,46.241 r0 top (schematic designator MAG6)
MAG6_B15 "DRV5055A4" SOT100P237X112-3N 115.261,46.249 r0 top (schematic designator MAG6)
MAG6_B16 "DRV5055A4" SOT100P237X112-3N 151.274,46.234 r0 top (schematic designator MAG6)
MAG7_B1 "DRV5055A4" SOT100P237X112-3N 43.25,145.25 r0 top (schematic designator MAG7)
MAG7_B2 "DRV5055A4" SOT100P237X112-3N 79.279,145.268 r0 top (schematic designator MAG7)
MAG7_B3 "DRV5055A4" SOT100P237X112-3N 115.298,145.27 r0 top (schematic designator MAG7)
MAG7_B4 "DRV5055A4" SOT100P237X112-3N 151.273,145.25 r0 top (schematic designator MAG7)
MAG7_B5 "DRV5055A4" SOT100P237X112-3N 43.256,109.27 r0 top (schematic designator MAG7)
MAG7_B6 "DRV5055A4" SOT100P237X112-3N 79.233,109.215 r0 top (schematic designator MAG7)
MAG7_B7 "DRV5055A4" SOT100P237X112-3N 115.229,109.246 r0 top (schematic designator MAG7)
MAG7_B8 "DRV5055A4" SOT100P237X112-3N 151.242,109.251 r0 top (schematic designator MAG7)
MAG7_B9 "DRV5055A4" SOT100P237X112-3N 43.223,73.27 r0 top (schematic designator MAG7)
MAG7_B10 "DRV5055A4" SOT100P237X112-3N 79.224,73.227 r0 top (schematic designator MAG7)
MAG7_B11 "DRV5055A4" SOT100P237X112-3N 115.255,73.257 r0 top (schematic designator MAG7)
MAG7_B12 "DRV5055A4" SOT100P237X112-3N 151.236,73.251 r0 top (schematic designator MAG7)
MAG7_B13 "DRV5055A4" SOT100P237X112-3N 43.255,37.271 r0 top (schematic designator MAG7)
MAG7_B14 "DRV5055A4" SOT100P237X112-3N 79.262,37.241 r0 top (schematic designator MAG7)
MAG7_B15 "DRV5055A4" SOT100P237X112-3N 115.261,37.249 r0 top (schematic designator MAG7)
MAG7_B16 "DRV5055A4" SOT100P237X112-3N 151.274,37.234 r0 top (schematic designator MAG7)
MAG8_B1 "DRV5055A4" SOT100P237X112-3N 34.25,145.25 r0 top (schematic designator MAG8)
MAG8_B2 "DRV5055A4" SOT100P237X112-3N 70.279,145.268 r0 top (schematic designator MAG8)
MAG8_B3 "DRV5055A4" SOT100P237X112-3N 106.298,145.27 r0 top (schematic designator MAG8)
MAG8_B4 "DRV5055A4" SOT100P237X112-3N 142.273,145.25 r0 top (schematic designator MAG8)
MAG8_B5 "DRV5055A4" SOT100P237X112-3N 34.256,109.27 r0 top (schematic designator MAG8)
MAG8_B6 "DRV5055A4" SOT100P237X112-3N 70.233,109.215 r0 top (schematic designator MAG8)
MAG8_B7 "DRV5055A4" SOT100P237X112-3N 106.229,109.246 r0 top (schematic designator MAG8)